# Allegro board 8880F5-0823_9.brd (continued)
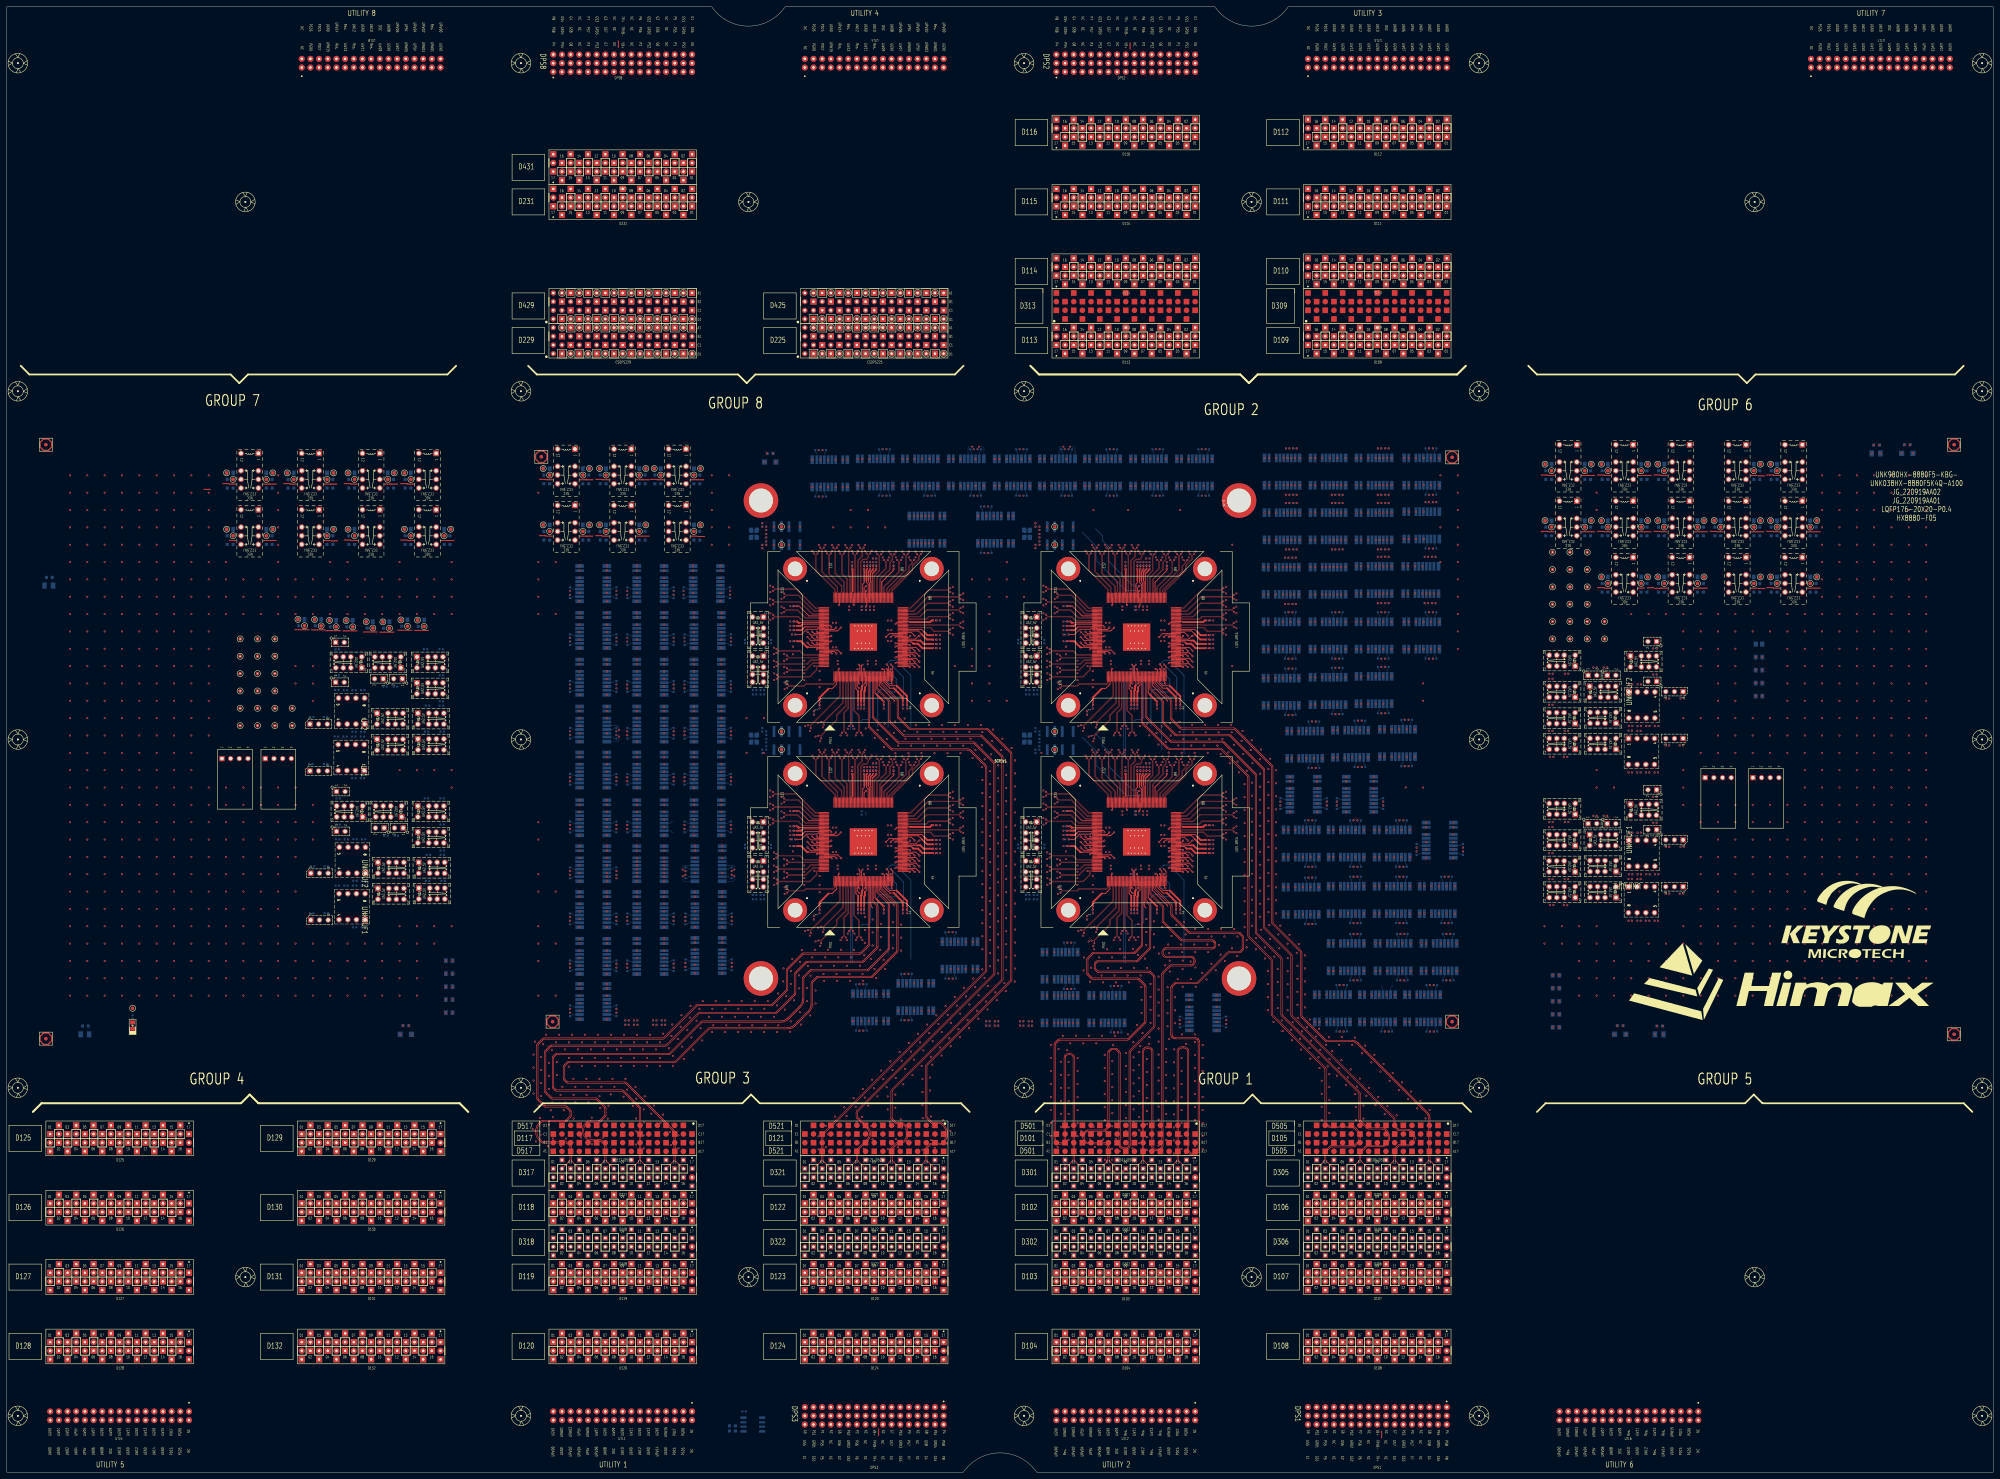
[diagram p0: board, top side]
## Routing (per net, layer and track width the routed paths; a pad name or vN(x,y) marks a point on that pad's centre or on a via; arc(x,y) is an arc through that point) (continued)
Net_2: length 0.4
  BOTTOM w0.119: 242.67,241.63 v1(242.87,241.63) ; 242.07,241.63 v1(241.87,241.63)
  vias: v1(233.5,237.74) v1(233.5,235.89) v1(233.5,234.03) v1(233.5,232.05) v1(233.5,177.74) v1(233.5,175.89) v1(233.5,174.03) v1(233.5,172.05) v1(236.49,236.12) v1(236.49,176.12) v1(237.99,234.65) v1(237.99,232.05) v1(237.99,229.95) v1(237.99,174.65) v1(237.99,172.05) v1(237.99,169.95) v1(241.87,248.83) v1(241.87,188.83) v1(241.87,181.63) v1(242.87,248.83) v1(242.87,188.83) v1(242.87,181.63) v1(243.28,237.69) v1(243.28,236.69) v1(243.28,177.69) v1(243.28,176.69) v1(246.67,253.59) v1(246.67,252.59) v1(249.1,235.23) v1(249.1,175.23) v1(252.08,237.69) v1(252.08,236.69) v1(252.08,177.69) v1(252.08,176.69) v1(252.74,253.59) v1(252.74,252.59) v1(253.94,253.59) v1(253.94,252.59) v1(254.48,237.69) v1(254.48,236.69) v1(254.48,177.69) v1(254.48,176.69) v1(257.99,249.47) v1(257.99,243.47) v1(257.99,189.47) v1(257.99,183.47) v1(259,249.47) v1(259,243.47) v1(259,189.47) v1(259,183.47) v1(313.5,237.74) v1(313.5,235.89) v1(313.5,234.03) v1(313.5,232.05) v1(313.5,177.74) v1(313.5,175.89) v1(313.5,174.03) v1(313.5,172.05) v1(316.49,236.12) v1(316.49,176.12) v1(317.99,234.65) v1(317.99,232.05) v1(317.99,229.95) v1(317.99,174.65) v1(317.99,172.05) v1(317.99,169.95) v1(321.87,248.83) v1(321.87,241.63) v1(321.87,188.83) v1(321.87,181.63) v1(322.87,248.83) v1(322.87,241.63) v1(322.87,188.83) v1(322.87,181.63) v1(323.28,237.69) v1(323.28,236.69) v1(323.28,177.69) v1(323.28,176.69) v1(326.67,253.59) v1(326.67,252.59) v1(326.67,193.59) v1(326.67,192.59) v1(329.1,235.23) v1(329.1,175.23) v1(332.08,237.69) v1(332.08,236.69) v1(332.08,177.69) v1(332.08,176.69) v1(332.74,253.59) v1(332.74,252.59) v1(332.74,193.59) v1(332.74,192.59) v1(333.94,253.59) v1(333.94,252.59) v1(333.94,193.59) v1(333.94,192.59) v1(334.48,237.69) v1(334.48,236.69) v1(334.48,177.69) v1(334.48,176.69) v1(337.99,249.47) v1(337.99,243.47) v1(337.99,189.47) v1(337.99,183.47) v1(339,249.47) v1(339,243.47) v1(339,189.47) v1(339,183.47)
Net_1675: length 3
  BOTTOM w0.119: 195.26,190.59 194.78,190.59 194.3,190.12 192.47,190.12
Net_1676: length 3
  BOTTOM w0.119: 195.26,187.45 194.78,187.45 194.3,187.92 192.47,187.92
Net_2053: length 3
  BOTTOM w0.119: 402.5,142.68 402.5,142.2 402.97,141.73 402.97,139.89
Net_2054: length 3
  BOTTOM w0.119: 405.17,139.89 405.17,141.73 405.64,142.2 405.64,142.68
S1_2AUX+:
  vias: v1(184.65,132.33) v1(184.65,131.06)
S1_2AUX-:
  vias: v1(181.11,131.06) v1(182.11,132.33)
S1_AUX_100DCH002+:
  vias: v1(183.65,132.33)
S1_AUX_100DCH002-:
  vias: v1(181.11,132.33)
S1_AUXCH+: length 24
  TOP w0.203: SITE1.21 250.23,236.2 v2(250.6,236.57)
  BOTTOM w0.203: 247.57,217.42 247.57,231.79 250.3,234.52 250.3,236.28 v2(250.6,236.57)
S1_AUXCH-: length 24
  TOP w0.203: SITE1.20 249.83,236.2 v2(249.46,236.57)
  BOTTOM w0.203: v2(249.46,236.57) 249.76,236.28 249.76,234.75 247.03,232.02 247.03,217.42
S1_AVDD11_RX: length 8.4
  TOP w0.231: SITE1.31 254.23,228.29 254.67,227.85
  TOP w0.508: v1(256.77,225.75) 254.67,227.85
  vias: v1(256.77,223.71)
S1_AVDD11_XTAL: length 8.8
  TOP w0.231: 252.87,261.45 252.87,261.11 253.03,260.95 SITE1.105
  TOP w0.381: 252.87,261.45 252.87,263.59 253.72,264.44 v1(253.72,264.54)
  vias: v1(253.72,266.58)
S1_AVDD18_RX: length 7.7
  TOP w0.231: 251.28,230.01 251.83,230.56 SITE1.25
  TOP w0.508: v1(251.06,225.75) 251.06,228.68 251.28,228.9 251.28,230.01
  vias: v1(251.06,223.71)
S1_DCH041: length 2.2
  TOP w0.231: v1(237.23,243.03) 237.43,242.83 SITE1.159
S1_DCH042: length 3.7
  TOP w0.231: SITE1.160 236.43,242.43 v1(235.83,243.03)
S1_DCH043: length 5.3
  TOP w0.231: SITE1.161 235.44,242.03 v1(234.44,243.03)
S1_DCH044: length 2.2
  TOP w0.231: v1(237.23,241.03) 237.43,241.23 SITE1.163
S1_DCH045: length 5.4
  TOP w0.231: v1(244.35,239.83) 243.35,240.83 SITE1.164
S1_DCH046: length 3.9
  TOP w0.231: SITE1.165 242.35,240.43 v1(242.95,239.83)
S1_DCH047: length 2.3
  TOP w0.231: SITE1.166 241.36,240.03 v1(241.56,239.83)
S1_DCH048:
  vias: v1(229.05,276.97)
S1_DCH049:
  vias: v1(229.05,271.67)
S1_DPS_F_001:
  vias: v1(182.11,131.06)
S1_DPS_F_002: length 10.1
  TOP w0.119: v1(237.98,223.71) 237.98,223.75
  TOP w0.231: 240.65,229.55 241.72,229.55 243.03,230.86 SITE1.3
  TOP w0.508: v1(237.98,225.75) 237.98,226.88 240.65,229.55
  vias: v1(236.32,222.9)
S1_DPS_F_003: length 63.1
  TOP w0.231: SITE1.145 233.08,248.43 232.83,248.18 ; SITE1.17 248.63,229.5 249.28,228.85 ; 251.69,261.16 251.69,260.65 252.23,260.11 SITE1.107 ; SITE1.37 256.63,231.59 258.57,229.66 259.73,229.66 ; SITE1.71 266.94,246.43 267.84,245.53 ; SITE1.63 264.9,243.23 265.2,242.93 ; 234.63,241.63 SITE1.162
  TOP w0.381: 251.69,261.16 251.69,264.28 v1(251.94,264.54)
  TOP w0.508: 232.83,248.18 232.58,247.93 v1(231.44,247.93) ; 234.63,241.63 234.37,241.63 232.59,243.41 v1(231.44,243.41) ; v1(262.36,225.75) 262.36,227.02 259.73,229.66 ; v1(271.22,241.37) 268.11,241.37 266.8,242.67 265.45,242.67 265.2,242.93 ; 267.84,245.53 269.46,243.91 v1(271.22,243.91) ; v1(249.28,225.75) 249.28,228.85
  vias: v1(229.4,247.93) v1(229.4,243.41) v1(249.28,223.71) v1(251.54,252.59) v1(251.94,266.58) v1(262.36,223.71) v1(273.27,243.91) v1(273.27,241.37)
S1_DPS_F_006: length 9.8
  TOP w0.231: SITE1.72 267.92,246.83 268.55,246.19
  TOP w0.508: v1(271.22,245.18) 269.56,245.18 268.55,246.19
  BOTTOM w0.119: CC40.1 v1(259,246.67)
  vias: v1(273.27,245.18)
S1_DPS_F_007: length 19.2
  TOP w0.231: 264.37,249.01 264.15,249.23 SITE1.78
  TOP w0.254: SITE1.97 256.23,260.8 259.65,264.22 v1(259.65,264.54) CD11.1
  TOP w0.508: 264.37,249.01 270.31,249.01 270.8,249.5 v1(271.22,249.5)
  BOTTOM w0.119: CC27.1 v1(273.27,249.5)
  vias: v1(259.65,266.58)
S1_DPS_F_009: length 8.8
  TOP w0.231: 252.26,261.12 252.26,260.9 252.63,260.53 SITE1.106
  TOP w0.381: 252.26,261.12 252.26,263.82 252.83,264.39 v1(252.83,264.54)
  vias: v1(252.83,266.58) v1(253.61,267.66)
S1_DPS_F_010: length 8.6
  TOP w0.231: 251.05,261.13 251.05,260.57 250.63,260.15 SITE1.111
  TOP w0.381: 251.05,261.13 v1(251.05,264.54)
  vias: v1(250.34,253.59) v1(251.05,266.58)
S1_DPS_F_011: length 17.6
  TOP w0.231: 247.64,258.01 247.43,257.79 SITE1.119 ; SITE1.139 234.87,250.83 232.01,253.69 v1(231.44,253.69)
  TOP w0.508: v1(247.57,264.54) 247.64,264.47 247.64,258.01
  vias: v1(229.4,253.69) v1(247.57,266.58)
S1_DPS_F_012: length 8
  TOP w0.231: 232.2,248.83 SITE1.144
  TOP w0.508: v1(231.44,249.2) 231.81,248.83 232.2,248.83
  vias: v1(229.4,249.2)
S1_ISP00+: length 63.2
  TOP w0.086: SITE1.73 263.98,247.23 264.06,247.31 270.41,247.31 271.56,246.16 275.81,246.16 v1(276.24,245.73)
  L32_SIGNAL w0.071: v1(270.04,280.1) 270.04,276.27 270.12,276.2 276.38,276.2 277.77,274.81 277.77,264.13 283.3,258.6 283.3,249.2 280.3,246.2 276.72,246.2 v1(276.24,245.73)
S1_ISP00-: length 62.5
  TOP w0.086: SITE1.74 263.98,247.63 264.06,247.55 270.51,247.55 271.66,246.4 275.77,246.4 v1(276.24,246.87)
  L32_SIGNAL w0.071: v1(270.04,272.1) 270.04,275.93 270.12,276 276.3,276 277.57,274.73 277.57,264.04 283.1,258.52 283.1,249.28 280.22,246.4 276.72,246.4 v1(276.24,246.87)
S1_ISP14+: length 72.8
  TOP w0.086: SITE1.112 250.23,257.78 250.15,257.86 250.15,266.68 250.73,267.26 251.76,267.26 252.42,267.92 252.42,268.71 v1(252.86,269.15)
  L28_SIGNAL w0.071: v1(252.86,269.15) 252.39,269.62 252.39,275.23 259.25,282.08 277.73,282.08 278.89,280.93 278.89,276.87 277.44,275.42 266.69,275.42 265.64,276.46 v1(265.64,280.1)
S1_ISP14-: length 72.8
  TOP w0.086: SITE1.113 249.83,257.78 249.91,257.86 249.91,266.78 250.63,267.5 251.66,267.5 252.18,268.02 252.18,268.69 v1(251.72,269.15)
  L28_SIGNAL w0.071: v1(251.72,269.15) 252.19,269.62 252.19,275.31 259.16,282.28 277.81,282.28 279.08,281.01 279.08,276.78 277.52,275.22 265.72,275.22 265.64,275.15 v1(265.64,272.1)
S1_ISP_1LOCK:
  vias: v1(229.91,245.39)
S1_M_DPS_F_001: length 45.2
  TOP w0.231: 233.24,247.18 233.7,247.63 SITE1.147 ; SITE1.104 253.43,263.21 ; 266.49,243.63 SITE1.64 ; 250.63,230.54 SITE1.22 ; SITE1.39 257.43,231.49 258.54,230.37 260.57,230.37
  TOP w0.381: 253.43,263.21 254.61,264.39 v1(254.61,264.54)
  TOP w0.508: v1(271.22,242.64) 268.48,242.64 267.49,243.63 266.49,243.63 ; v1(263.63,225.75) 263.63,227.31 260.57,230.37 ; 233.24,247.18 232.72,246.66 v1(231.44,246.66) ; v1(250.17,225.75) 250.17,228.96 250.38,229.17 250.38,230.28 250.63,230.54
  vias: v1(229.4,246.66) v1(250.17,223.71) v1(254.61,266.58) v1(263.63,223.71) v1(273.27,242.64)
S1_PS9G_DCH001: length 3.7
  TOP w0.231: SITE1.18 249.03,230.23 v1(249.63,229.63)
S1_PS9G_DCH002: length 2.2
  TOP w0.231: v1(249.63,231.03) 249.43,231.23 SITE1.19
S1_PS9G_DCH003: length 2.2
  TOP w0.231: v1(251.23,231.03) 251.43,231.23 SITE1.24
S1_PS9G_DCH004: length 2.2
  TOP w0.231: SITE1.40 257.83,235.03 v1(257.63,235.23)
S1_PS9G_DCH005: length 2.2
  TOP w0.231: SITE1.45 264.23,236.03 v1(264.43,235.83)
S1_PS9G_DCH006: length 3.7
  TOP w0.231: SITE1.46 265.23,236.43 v1(265.83,235.83)
S1_PS9G_DCH007: length 5.3
  TOP w0.231: v1(267.23,235.83) 266.22,236.83 SITE1.47
S1_PS9G_DCH009: length 2.2
  TOP w0.231: v1(264.43,237.43) 264.23,237.63 SITE1.49
S1_PS9G_DCH010: length 3.7
  TOP w0.231: SITE1.50 265.23,238.03 v1(265.83,237.43)
S1_PS9G_DCH011: length 5.3
  TOP w0.231: v1(267.23,237.43) 266.22,238.43 SITE1.51
S1_PS9G_DCH014: length 3.7
  TOP w0.231: SITE1.54 265.23,239.63 v1(265.83,239.03)
S1_PS9G_DCH015: length 5.3
  TOP w0.231: SITE1.55 266.22,240.03 v1(267.23,239.03)
S1_PS9G_DCH022: length 5.3
  TOP w0.231: v1(267.23,245.03) 267.05,245.03 266.05,244.03 SITE1.65
S1_PS9G_DCH023: length 2.5
  TOP w0.231: SITE1.66 264.03,244.43 264.43,244.83 v1(264.43,245.03)
S1_PS9G_DCH027: length 3.9
  TOP w0.231: v1(265.83,245.03) 264.83,246.03 SITE1.70
S1_PS9G_DCH028: length 2.3
  TOP w0.231: SITE1.77 260.6,248.83 v1(260.23,248.46)
S1_PS9G_DCH029: length 2.2
  TOP w0.231: SITE1.118 247.83,254.23 v1(248.03,254.03)
S1_PS9G_DCH030: length 9.2
  TOP w0.231: v1(230.91,245.39) 232.63,245.39 234.16,246.91 237.3,246.91 237.62,247.23 SITE1.148
S1_PS9G_DCH035: length 5.3
  TOP w0.231: v1(234.44,246.23) 235.44,245.23 SITE1.153
S1_PS9G_DCH036: length 2.2
  TOP w0.231: SITE1.154 241.23,244.83 v1(241.43,245.03)
S1_PS9G_DCH037: length 2.2
  TOP w0.231: v1(237.23,244.63) 237.43,244.43 SITE1.155
S1_PS9G_DCH038: length 3.7
  TOP w0.231: SITE1.156 236.43,244.03 v1(235.83,244.63)
S1_PS9G_DCH039: length 5.3
  TOP w0.231: v1(234.44,244.63) 235.44,243.63 SITE1.157
S1_PS9G_DCH040: length 2.2
  TOP w0.231: SITE1.158 241.23,243.23 v1(241.43,243.43)
S1_RLY_001:
  vias: v1(167.7,222.95) v1(201.23,236.67)
S1_RLY_003:
  vias: v1(290.64,288.86) v1(303.84,288.86)
S1_RLY_005:
  vias: v1(330.51,288.86) v1(343.98,288.86)
S1_RLY_007:
  vias: v1(317.05,288.86)
S1_RLY_008:
  vias: v1(263.71,288.86) v1(293.31,280.1)
S1_RLY_016:
  vias: v1(244.8,296.61) v1(250.5,288.86)
S1_RLY_018:
  vias: v1(232.25,276.97)
S1_RLY_021:
  vias: v1(167.7,264.1) v1(277.17,288.86)
S1_RLY_022:
  vias: v1(167.7,236.67) v1(201.23,250.38)
S1_RLY_023:
  vias: v1(184.47,236.67)
S1_RLY_025:
  vias: v1(167.7,250.38) v1(200.98,264.1)
S1_RLY_026:
  vias: v1(184.47,250.38)
S1_RLY_030:
  vias: v1(184.47,264.1)
S1_RLY_043:
  vias: v1(273.24,280.1)
S1_SCAN_DCH008: length 2.2
  TOP w0.231: SITE1.48 260.43,237.23 v1(260.23,237.03)
S1_SCAN_DCH012: length 2.2
  TOP w0.231: v1(260.23,238.63) 260.43,238.83 SITE1.52
S1_SCAN_DCH013: length 2.2
  TOP w0.231: v1(264.43,239.03) 264.23,239.23 SITE1.53
S1_SCAN_DCH016: length 2.2
  TOP w0.231: SITE1.56 260.43,240.43 v1(260.23,240.23)
S1_SCAN_DCH017: length 2.2
  TOP w0.231: SITE1.57 264.23,240.83 v1(264.43,240.63)
S1_SCAN_DCH018: length 3.7
  TOP w0.231: SITE1.58 265.23,241.23 v1(265.83,240.63)
S1_SCAN_DCH019: length 5.3
  TOP w0.231: v1(267.23,240.63) 266.22,241.63 SITE1.59
S1_SCAN_DCH020: length 2.2
  TOP w0.231: SITE1.60 260.43,242.03 v1(260.23,241.83)
S1_SCAN_DCH021: length 2.2
  TOP w0.231: SITE1.61 264.23,242.43 v1(264.43,242.23)
S1_SCAN_DCH024: length 2.2
  TOP w0.231: v1(260.23,244.63) 260.43,244.83 SITE1.67
S1_SCAN_DCH025: length 3.7
  TOP w0.231: SITE1.68 259.43,245.23 v1(258.83,244.63)
S1_SCAN_DCH026: length 5.3
  TOP w0.231: v1(257.44,244.63) 258.44,245.63 SITE1.69
S1_SCAN_DCH031: length 3.7
  TOP w0.231: v1(242.83,247.43) 242.23,246.83 SITE1.149
S1_SCAN_DCH032: length 5.3
  TOP w0.231: v1(244.22,247.43) 243.22,246.43 SITE1.150
S1_SCAN_DCH033: length 2.2
  TOP w0.231: SITE1.151 237.43,246.03 v1(237.23,246.23)
S1_SCAN_DCH034: length 3.7
  TOP w0.231: v1(235.83,246.23) 236.43,245.63 SITE1.152
S1_SPI_CSN: length 25.9
  TOP w0.231: SITE1.43 259.03,231.23 v1(259.23,231.03)
  BOTTOM w0.231: 250.11,219.95 250.61,220.44 252.25,220.44 252.91,221.11 252.91,233.59 253.58,234.25 255.17,234.25 258.4,231.03 v1(259.23,231.03)
S1_SPI_SCK: length 25.3
  TOP w0.231: SITE1.42 258.63,235.03 v1(258.83,235.23)
  BOTTOM w0.231: v1(258.83,235.23) 258.83,233.98 260.53,232.28 260.53,229.11 259.96,228.54 257.9,228.54 257.17,229.27 255.92,229.27 255.03,228.39 255.03,218.48
S1_SPI_SDI: length 27.5
  TOP w0.231: SITE1.44 259.43,236.03 v1(258.83,236.63)
  BOTTOM w0.231: v1(258.83,236.63) 262.6,232.86 262.6,227.63 262.04,227.06 258.85,227.06 258.07,226.28 258.07,218.19
S1_SPI_SDO: length 29.1
  TOP w0.231: SITE1.41 258.23,236.03 v1(257.63,236.63)
  BOTTOM w0.231: v1(257.63,236.63) 258.83,237.83 261.5,237.83 262.29,237.04 262.29,235.83 264.72,233.4 264.72,218.19
S1_XTAL_IN: length 2.2
  TOP w0.231: v1(251.63,258.23) 251.43,258.03 SITE1.109
  vias: v1(226.85,271.67)
S1_XTAL_OUT: length 3.7
  TOP w0.231: v1(251.63,259.63) 251.03,259.03 SITE1.110
  vias: v1(226.85,276.97)
S2_2AUX+:
  vias: v1(290.31,132.08) v1(290.31,130.81)
S2_2AUX-:
  vias: v1(286.77,130.81) v1(287.77,132.08)
S2_AUX_100DCH002+:
  vias: v1(289.31,132.08)
S2_AUX_100DCH002-:
  vias: v1(286.77,132.08)
S2_AUXCH+: length 32.3
  TOP w0.203: SITE2.21 330.23,236.2 v2(330.6,236.57)
  BOTTOM w0.203: v2(330.6,236.57) 330.3,236.28 330.3,234.52 327.57,231.79 327.57,209.14
S2_AUXCH-: length 32.1
  TOP w0.203: SITE2.20 329.83,236.2 v2(329.46,236.57)
  BOTTOM w0.203: v2(329.46,236.57) 329.76,236.28 329.76,234.75 327.02,232.02 327.02,209.37
S2_AVDD11_RX: length 8.4
  TOP w0.231: SITE2.31 334.23,228.29 334.67,227.85
  TOP w0.508: v1(336.77,225.75) 334.67,227.85
  vias: v1(336.77,223.71)
S2_AVDD11_XTAL: length 8.8
  TOP w0.231: SITE2.105 333.03,260.95 332.87,261.11 332.87,261.45
  TOP w0.381: v1(333.72,264.54) 333.72,264.44 332.87,263.59 332.87,261.45
  vias: v1(333.72,266.58)
S2_AVDD18_RX: length 7.7
  TOP w0.231: SITE2.25 331.83,230.56 331.28,230.01
  TOP w0.508: v1(331.06,225.75) 331.06,228.68 331.28,228.9 331.28,230.01
  vias: v1(331.06,223.71)
S2_DCH041: length 2.2
  TOP w0.231: SITE2.159 317.43,242.83 v1(317.23,243.03)
S2_DCH042: length 3.7
  TOP w0.231: SITE2.160 316.43,242.43 v1(315.83,243.03)
S2_DCH043: length 5.3
  TOP w0.231: v1(314.43,243.03) 315.44,242.03 SITE2.161
S2_DCH044: length 2.2
  TOP w0.231: SITE2.163 317.43,241.23 v1(317.23,241.03)
S2_DCH045: length 5.4
  TOP w0.231: SITE2.164 323.35,240.83 v1(324.35,239.83)
S2_DCH046: length 3.9
  TOP w0.231: v1(322.95,239.83) 322.35,240.43 SITE2.165
S2_DCH047: length 2.3
  TOP w0.231: v1(321.56,239.83) 321.36,240.03 SITE2.166
S2_DCH048:
  vias: v1(309.05,276.97)
S2_DCH049:
  vias: v1(309.05,271.67)
S2_DPS_F_001:
  vias: v1(287.77,130.81)
S2_DPS_F_002: length 10.1
  TOP w0.231: 320.65,229.55 321.72,229.55 323.03,230.86 SITE2.3
  TOP w0.508: v1(317.98,225.75) 317.98,226.88 320.65,229.55
  vias: v1(316.32,222.9) v1(317.98,223.71)
S2_DPS_F_003: length 63.1
  TOP w0.231: 314.63,241.63 SITE2.162 ; SITE2.63 344.9,243.23 345.2,242.93 ; 331.69,261.16 331.69,260.65 332.23,260.11 SITE2.107 ; 339.73,229.66 338.57,229.66 336.63,231.59 SITE2.37 ; SITE2.71 346.94,246.43 347.84,245.53 ; SITE2.145 313.08,248.43 312.83,248.18 ; SITE2.17 328.63,229.5 329.28,228.85
  TOP w0.381: v1(331.94,264.54) 331.69,264.28 331.69,261.16
  TOP w0.508: v1(311.44,247.93) 312.58,247.93 312.83,248.18 ; 339.73,229.66 342.36,227.02 342.36,225.75 ; 347.84,245.53 349.45,243.91 v1(351.22,243.91) ; v1(329.28,225.75) 329.28,228.85 ; 314.63,241.63 314.37,241.63 312.59,243.41 v1(311.44,243.41) ; v1(351.22,241.37) 348.11,241.37 346.8,242.67 345.45,242.67 345.2,242.93
  vias: v1(309.4,247.93) v1(309.4,243.41) v1(329.28,223.71) v1(331.94,266.58) v1(342.36,223.71) v1(353.27,243.91) v1(353.27,241.37) v1(464.57,235.71)
S2_DPS_F_006: length 9.6
  TOP w0.231: SITE2.72 347.92,246.83 348.55,246.19
  TOP w0.508: 348.55,246.19 349.56,245.18 v1(351.22,245.18)
  vias: v1(339,246.67) v1(353.27,245.18)
S2_DPS_F_007: length 19
  TOP w0.231: SITE2.97 336.23,260.71 339.65,264.13 v1(339.65,264.54) ; 344.37,249.01 344.15,249.23 SITE2.78
  TOP w0.508: 344.37,249.01 350.31,249.01 350.8,249.5 v1(351.22,249.5)
  vias: v1(339.65,266.58) v1(353.27,249.5)
S2_DPS_F_009: length 8.8
  TOP w0.231: SITE2.106 332.63,260.53 332.26,260.9 332.26,261.12
  TOP w0.381: 332.26,261.12 332.26,263.82 332.83,264.39 v1(332.83,264.54)
  vias: v1(332.83,266.58) v1(333.61,267.66)
S2_DPS_F_010: length 8.6
  TOP w0.231: SITE2.111 330.63,260.15 331.05,260.57 331.05,261.13
  TOP w0.381: 331.05,261.13 v1(331.05,264.54)
  vias: v1(330.63,253.59) v1(331.05,266.58)
S2_DPS_F_011: length 17.6
  TOP w0.231: SITE2.139 314.87,250.83 312.01,253.69 v1(311.44,253.69) ; SITE2.119 327.43,257.79 327.64,258.01
  TOP w0.508: 327.64,258.01 327.64,264.47 v1(327.57,264.54)
  vias: v1(309.4,253.69) v1(327.57,266.58)
S2_DPS_F_012: length 8
  TOP w0.231: 312.2,248.83 SITE2.144
  TOP w0.508: 312.2,248.83 311.81,248.83 v1(311.44,249.2)
  vias: v1(309.4,249.2)
S2_DPS_F_013:
  vias: v1(452.62,232.41) v1(452.62,224.79) v1(457.25,233.88) v1(474.87,217.23) v1(474.89,204.98) v1(474.99,218.59) v1(475.99,230.78) v1(478.43,217.17) v1(478.43,204.98) v1(478.53,230.78) v1(478.53,218.59) v1(480.97,204.98) v1(481.07,218.59) v1(482.1,241.3) v1(482.1,233.68) v1(483.51,204.98) v1(483.61,218.59) v1(489.86,212.91) v1(490.1,226.67)
S2_ISP00+: length 155.1
  TOP w0.086: SITE2.73 343.98,247.23 344.06,247.31 350.41,247.31 351.56,246.16 355.81,246.16 v1(356.24,245.73)
  L32_SIGNAL w0.071: v1(386.29,257.11) 386.29,261.31 386,261.6 381.9,261.6 380.96,260.65 380.96,256.47 381.63,255.79 392.41,255.79 399.45,262.84 418.94,262.84 422.94,258.84 422.94,247.79 420.36,245.21 360.9,245.21 359.91,246.2 356.72,246.2 v1(356.24,245.73)
S2_ISP00-: length 153.9
  TOP w0.086: v1(356.24,246.87) 355.77,246.4 351.66,246.4 350.51,247.55 344.06,247.55 343.98,247.63 SITE2.74
  L32_SIGNAL w0.071: v1(386.29,265.11) 386.29,262.08 386.01,261.8 381.82,261.8 380.76,260.74 380.76,256.39 381.55,255.6 392.49,255.6 399.53,262.64 418.85,262.64 422.74,258.76 422.74,247.87 420.28,245.41 360.99,245.41 359.99,246.4 356.72,246.4 v1(356.24,246.87)
S2_ISP14+: length 155.1
  TOP w0.086: v1(332.86,269.15) 332.42,268.71 332.42,267.92 331.76,267.26 330.73,267.26 330.15,266.68 330.15,257.86 330.23,257.78 SITE2.112
  L28_SIGNAL w0.071: v1(332.86,269.15) 332.39,269.62 332.39,271.2 334.58,273.39 358.16,273.39 359.22,274.46 359.22,276.14 358.06,277.31 329.86,277.31 329.51,277.66 329.51,278.59 329.83,278.91 357.85,278.91 362.5,274.26 362.5,266.62 367.84,261.28 390.11,261.28 390.69,260.7 v1(390.69,257.11)
S2_ISP14-: length 155.1
  TOP w0.086: SITE2.113 329.83,257.78 329.91,257.86 329.91,266.78 330.63,267.5 331.66,267.5 332.18,268.02 332.18,268.69 v1(331.72,269.15)
  L28_SIGNAL w0.071: v1(390.69,265.11) 390.69,261.71 390.47,261.48 367.92,261.48 362.7,266.71 362.7,274.34 357.94,279.11 329.75,279.11 329.31,278.67 329.31,277.57 329.77,277.11 357.97,277.11 359.02,276.06 359.02,274.54 358.07,273.59 334.5,273.59 332.19,271.28 332.19,269.62 v1(331.72,269.15)
S2_M_DPS_F_001: length 45.2
  TOP w0.231: SITE2.104 333.43,263.21 ; 313.24,247.18 313.7,247.63 SITE2.147 ; SITE2.39 337.43,231.49 338.54,230.37 340.57,230.37 ; 346.49,243.63 SITE2.64 ; 330.63,230.54 SITE2.22
  TOP w0.381: v1(334.61,264.54) 334.61,264.39 333.43,263.21
  TOP w0.508: v1(311.44,246.66) 312.72,246.66 313.24,247.18 ; v1(330.17,225.75) 330.17,228.96 330.38,229.17 330.38,230.28 330.63,230.54 ; v1(351.22,242.64) 348.48,242.64 347.49,243.63 346.49,243.63 ; v1(343.63,225.75) 343.63,227.31 340.57,230.37
  vias: v1(309.4,246.66) v1(330.17,223.71) v1(334.61,266.58) v1(343.63,223.71) v1(353.27,242.64)
S2_PS9G_DCH001: length 3.7
  TOP w0.231: v1(329.63,229.63) 329.03,230.23 SITE2.18
S2_PS9G_DCH002: length 2.2
  TOP w0.231: SITE2.19 329.43,231.23 v1(329.63,231.03)
S2_PS9G_DCH003: length 2.2
  TOP w0.231: SITE2.24 331.43,231.23 v1(331.23,231.03)
S2_PS9G_DCH004: length 2.2
  TOP w0.231: v1(337.63,235.23) 337.83,235.03 SITE2.40
S2_PS9G_DCH005: length 2.2
  TOP w0.231: SITE2.45 344.23,236.03 v1(344.43,235.83)
S2_PS9G_DCH006: length 3.7
  TOP w0.231: v1(345.83,235.83) 345.23,236.43 SITE2.46
S2_PS9G_DCH007: length 5.3
  TOP w0.231: SITE2.47 346.22,236.83 v1(347.22,235.83)
S2_PS9G_DCH009: length 2.2
  TOP w0.231: v1(344.43,237.43) 344.23,237.63 SITE2.49
S2_PS9G_DCH010: length 3.7
  TOP w0.231: SITE2.50 345.23,238.03 v1(345.83,237.43)
S2_PS9G_DCH011: length 5.3
  TOP w0.231: SITE2.51 346.22,238.43 v1(347.22,237.43)
S2_PS9G_DCH014: length 3.7
  TOP w0.231: v1(345.83,239.03) 345.23,239.63 SITE2.54
S2_PS9G_DCH015: length 5.3
  TOP w0.231: v1(347.22,239.03) 346.22,240.03 SITE2.55
S2_PS9G_DCH022: length 5.3
  TOP w0.231: SITE2.65 346.05,244.03 347.05,245.03 v1(347.22,245.03)
S2_PS9G_DCH023: length 2.5
  TOP w0.231: SITE2.66 344.03,244.43 344.43,244.83 v1(344.43,245.03)
S2_PS9G_DCH027: length 3.9
  TOP w0.231: SITE2.70 344.83,246.03 v1(345.83,245.03)
S2_PS9G_DCH028: length 2.3
  TOP w0.231: v1(340.23,248.46) 340.6,248.83 SITE2.77
S2_PS9G_DCH029: length 2.2
  TOP w0.231: SITE2.118 327.83,254.23 v1(328.03,254.03)
S2_PS9G_DCH030: length 9.2
  TOP w0.231: SITE2.148 317.62,247.23 317.3,246.91 314.16,246.91 312.63,245.39 v1(310.91,245.39)
